# KiCad board OLD_PCB.kicad_pcb (continued)
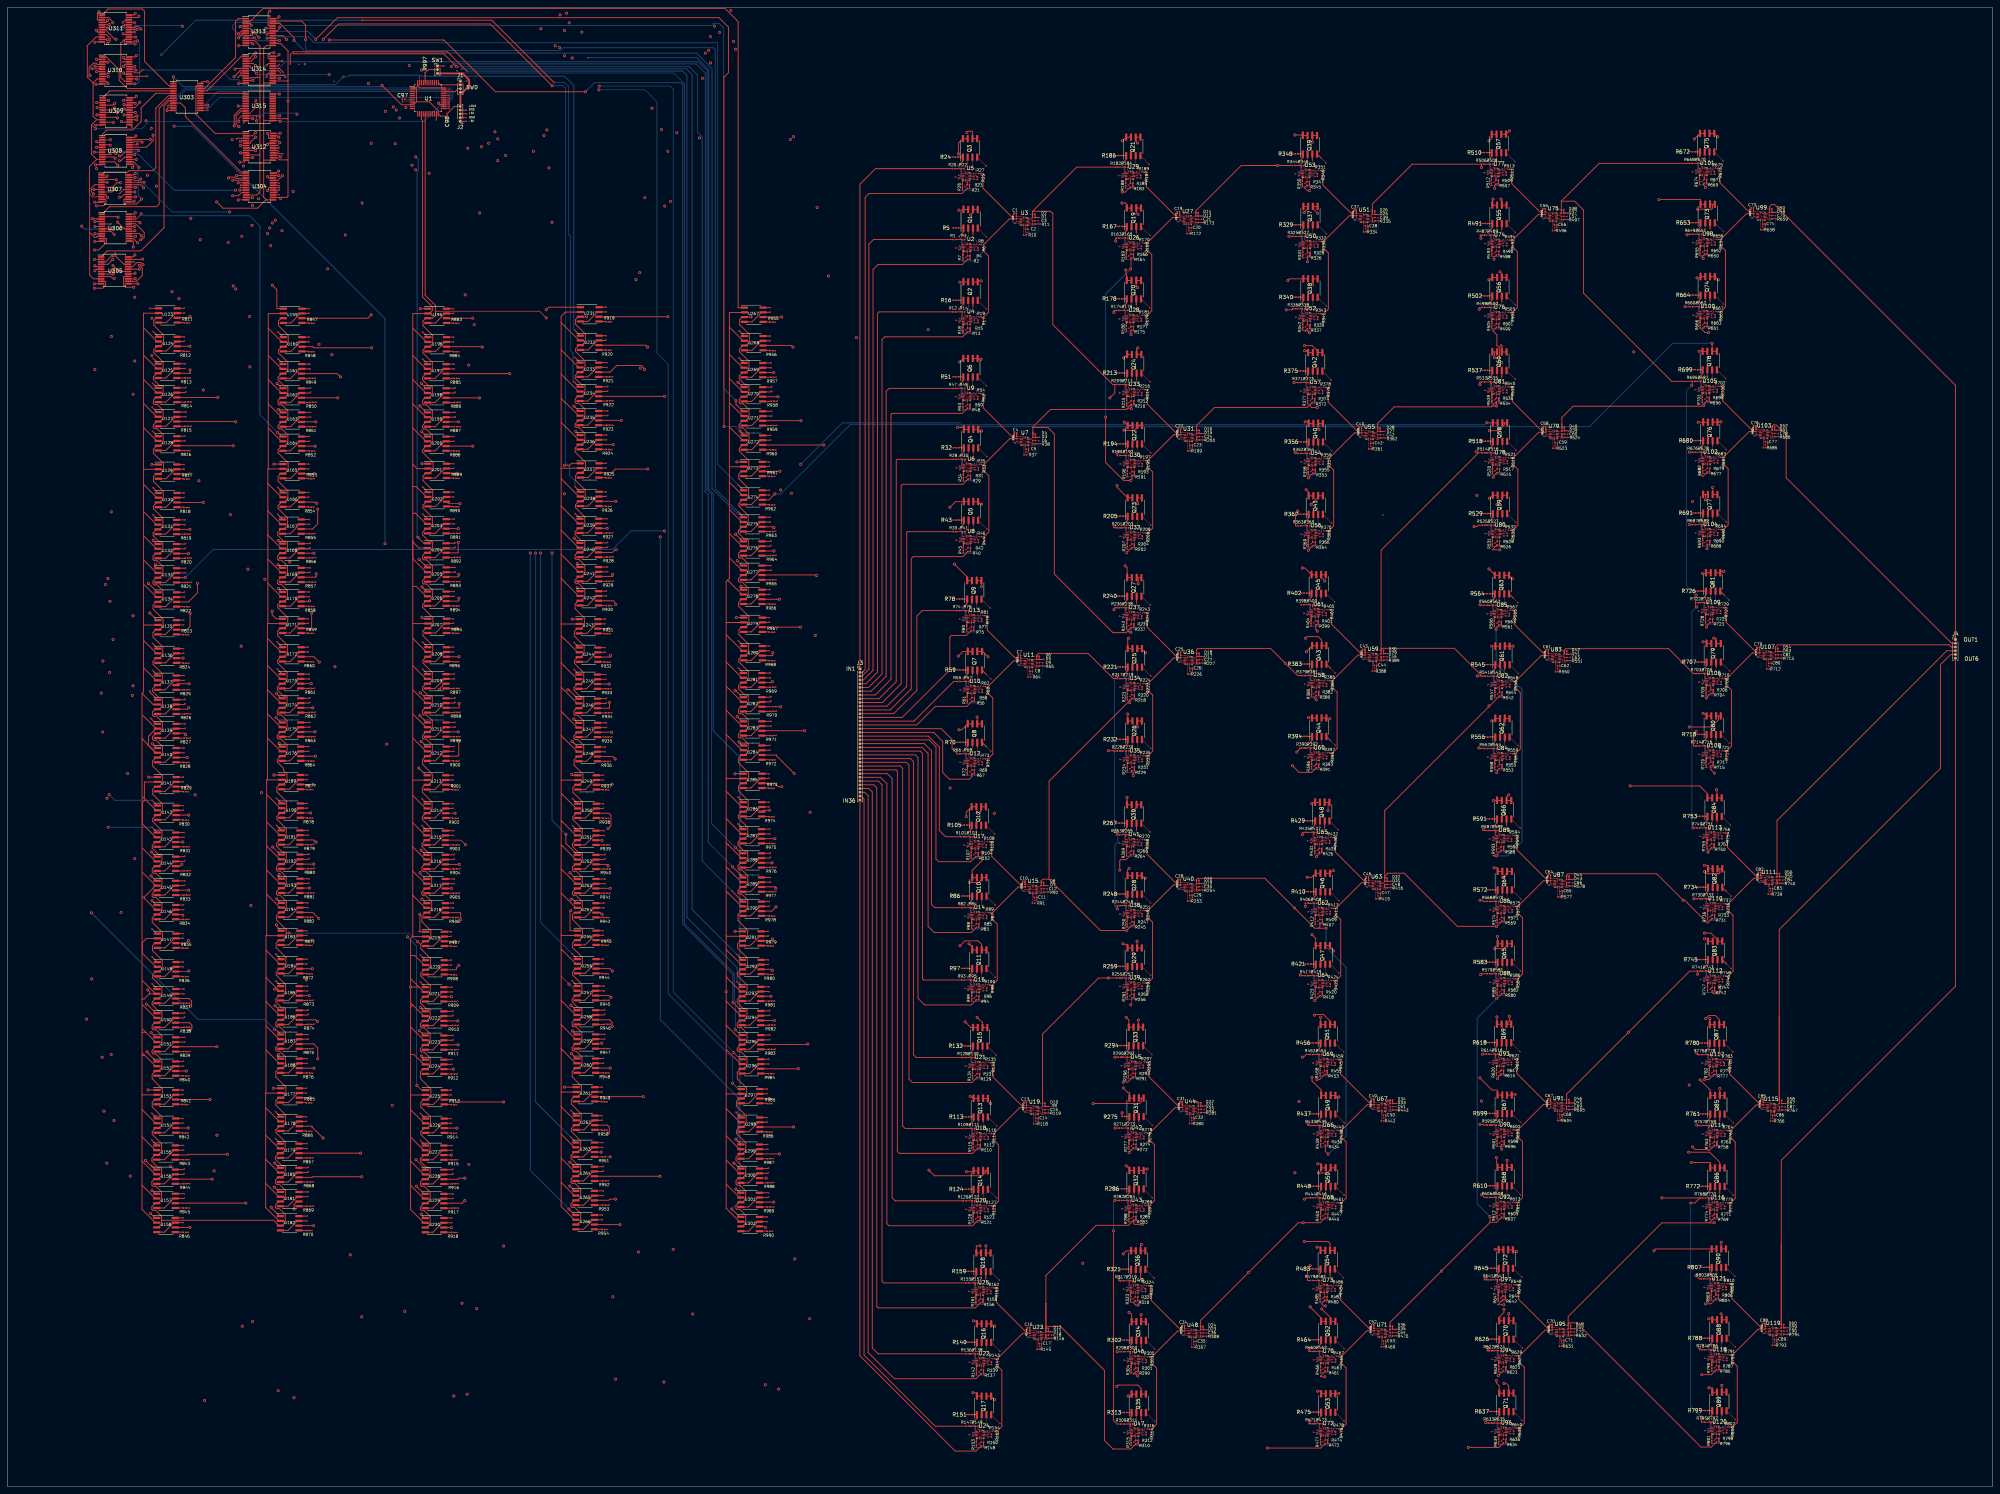
[diagram p0: board, top side]
## Routing (per net, layer and track width the routed paths; a pad name or vN(x,y) marks a point on that pad's centre or on a via; arc(x,y) is an arc through that point) (continued)
  Bottom w0.25: v2(33.98,374.62) 34.52,374.62 35.23,375.33 35.23,385.58 v2(34.7,386.1)
/S4: length 84.8
  Top w0.2: v1(117.9,370) 116.44,370 U1.29 ; U303.10 42.73,368.83 v1(42.7,368.8)
  Bottom w0.2: v1(117.9,370) 118.17,370 118.8,370.63 118.8,372.81 118.11,373.5 47.4,373.5 v1(42.7,368.8)
/S5: length 82.8
  Top w0.2: U303.11 44.27,368.2 v1(42.7,368.2) ; v1(117.9,370.5) 116.44,370.5 U1.30
  Bottom w0.2: v1(117.9,370.5) 118.11,370.5 118.4,370.79 118.4,371.71 117.11,373 47.61,373 42.81,368.2 v1(42.7,368.2)
/S6: length 69
  Top w0.2: U303.14 53.48,368.18 v1(53.5,368.2) ; U1.31 116.44,371 v1(117.9,371)
  Bottom w0.2: v1(53.5,368.2) 53.79,368.2 56.59,371 v1(117.9,371)
/S7: length 72.4
  Top w0.2: U303.13 53.48,367.53 v1(53.5,367.5) ; v1(117.9,371.5) 117.89,371.51 U1.32
  Bottom w0.2: v1(53.5,367.5) 53.49,367.5 52.8,368.19 52.8,369.19 56.21,372.6 116.8,372.6 v1(117.9,371.5)
/SCK: length 2422.8
  Top w0.15: 147.83,136.27 151.72,132.39 U257.2
  Top w0.25: U163.2 73.17,285.59 69.62,289.14 ; 147.83,81.23 151.38,77.69 U265.2 ; 147.83,81.23 147.83,74.78 151.38,71.24 U266.2 ; 147.83,81.23 147.83,87.68 ; 69.53,267.84 73.17,264.19 U166.2 ; 69.53,267.84 69.53,260.54 ; 69.53,267.84 69.53,271.75 69.73,271.75 ; U203.2 111.77,257.09 108.91,259.95 108.21,259.95 ; 36.32,271.65 36.32,267.66 ; 36.32,271.65 36.32,282.79 ; 36.32,271.65 40.15,271.65 40.18,271.69 U129.2 ; 36.32,267.66 39.9,264.09 U130.2 ; 36.32,267.66 36.32,260.36 ; U262.2 151.48,97.79 147.83,101.43 ; U134.2 39.8,237.54 36.32,241.01 ; 147.83,171.33 147.83,164.87 ; 147.83,171.33 148.18,170.98 148.23,170.98 151.78,167.44 152.16,167.44 ; 147.83,171.33 147.83,177.83 ; 147.83,164.87 147.83,158.47 ; 147.83,164.87 148.17,164.53 148.23,164.53 151.78,160.99 U253.2 ; 73.23,181.16 72.85,181.16 69.2,184.8 ; U275.2 196.1,257.59 192.75,260.93 ; U295.2 195.77,119.29 192.22,122.84 192.22,122.86 191.89,123.19 ; 192.25,242.05 191.89,241.69 191.89,230.71 ; 192.25,242.05 192.75,242.55 192.75,248.03 ; 192.25,242.05 192.52,241.78 192.55,241.78 196.1,238.24 U278.2 ; U168.2 73.07,250.54 69.53,254.09 ; 37.48,198.15 36.12,199.51 36.12,199.52 35.92,199.72 ; 37.48,198.15 37.6,198.28 37.6,199.39 37.68,199.46 37.68,200.42 37.91,200.65 37.91,200.65 39.03,201.77 39.03,201.77 39.67,202.41 ; 37.48,198.15 39.67,195.96 U140.2 39.54,195.96 37.48,198.02 37.48,198.15 ; 35.92,93.37 39.47,89.83 U155.2 ; 35.92,93.37 35.92,86.92 ; 35.92,93.37 35.92,100.67 ; U150.2 39.55,125.15 36,128.69 ; U276.2 196.1,251.14 192.75,254.48 ; 147.83,297.07 148.92,295.98 148.95,295.98 152.5,292.44 U234.2 ; 147.83,297.07 147.83,303.57 ; 147.83,297.07 147.83,290.57 ; 147.83,242.53 147.83,230.37 ; 147.83,242.53 147.83,248.93 ; 147.83,242.53 148.93,241.44 148.93,241.39 152.47,237.84 U242.2 ; 147.83,230.37 147.83,227.17 ; 147.83,230.37 147.85,230.35 152.53,230.35 152.56,230.39 U243.2 ; U228.2 111.17,83.34 107.62,86.89 ; U201.2 112.16,271.89 112.12,271.86 109.31,271.86 108.23,272.93 108.21,272.93 ; 36.32,295.69 36.32,302.14 ; 36.32,295.69 36.32,289.24 ; 36.32,295.69 39.87,292.14 U126.2 ; 36.32,302.14 36.32,309.44 ; 36.32,302.14 39.87,298.59 U125.2 ; U165.2 73.46,271.79 73.43,271.75 69.73,271.75 ; 108.21,259.95 108.21,252.46 ; 108.21,259.95 108.21,267.04 ; 69.62,295.59 73.17,292.04 U162.2 ; 69.62,295.59 69.62,289.14 ; 69.62,295.59 69.62,302.04 ; U235.2 152.5,285.99 148.95,289.53 148.87,289.53 147.83,290.57 ; U167.2 73.07,256.99 69.53,260.54 ; 73.34,196.34 72.97,196.34 69.42,199.88 ; 192.75,254.48 192.75,260.93 ; 192.75,254.48 192.75,248.03 ; 192.75,260.93 192.75,268.23 ; 69.62,282.69 69.62,271.86 69.73,271.75 ; 69.62,282.69 69.62,289.14 ; 69.62,282.69 73.17,279.14 U164.2 ; 39.57,160.49 38.93,159.85 38.93,159.85 36.55,157.48 36.55,157.06 ; 39.57,160.49 U145.2 ; 39.57,160.49 36.02,164.04 ; 192.75,295.88 196.3,292.34 U270.2 ; 192.75,295.88 192.75,302.33 ; 192.75,295.88 192.75,289.43 ; 69.2,177.5 69.2,184.8 ; 69.2,177.5 69.2,171.05 ; 69.2,177.5 72.75,173.96 73.12,173.96 ; 69.2,184.8 69.2,188.72 ; 68.94,105.06 72.84,105.06 72.88,105.1 72.97,105.1 ; 68.94,105.06 69.03,105.15 69.03,116.55 ; 68.94,105.06 68.94,101.14 ; 108.21,188.65 111.93,188.65 111.97,188.69 U213.2 ; 108.21,188.65 108.21,184.55 ; 108.21,188.65 108.21,199.87 ; U205.2 111.77,244.19 108.23,247.74 108.23,252.28 ; U272.2 196.3,279.44 192.75,282.98 ; 147.83,158.47 148.22,158.08 148.23,158.08 151.78,154.54 U254.2 ; 147.83,158.47 147.83,147.27 ; U245.2 152.18,215.59 148.63,219.13 148.63,219.17 147.83,219.97 ; 36.82,183.44 36.55,183.71 ; 36.82,183.44 39.67,180.59 U142.2 ; 36.82,183.44 36.02,182.65 36.02,180.08 ; 36.55,183.71 36.55,188.16 39.92,188.16 39.96,188.19 U141.2 ; 36.55,183.71 36.02,184.24 ; 69.2,171.05 72.75,167.51 73.12,167.51 ; 69.2,171.05 69.2,164.6 ; 108.21,252.46 108.23,252.44 108.23,252.28 ; 108.21,252.46 108.21,240.39 ; 192.75,302.33 196.3,298.79 U269.2 ; 192.75,302.33 192.75,309.63 ; 69.42,206.33 72.97,202.79 73.34,202.79 ; 69.42,206.33 69.42,199.88 ; 69.42,206.33 69.42,212.78 ; 69.03,129.45 69.03,135.9 ; 69.03,129.45 69.03,123 ; 69.03,129.45 72.58,125.91 U186.2 ; 147.83,188.53 147.95,188.65 152.13,188.65 152.16,188.69 U249.2 ; 147.83,188.53 147.83,185.13 ; 147.83,188.53 147.83,200.53 ; 35.92,115.14 35.92,104.59 ; 35.92,115.14 35.92,121.32 ; 35.92,115.14 36.65,115.14 ; 35.92,104.59 39.82,104.59 39.86,104.62 U153.2 ; 35.92,104.59 35.92,100.67 ; 192.75,309.63 192.75,313.55 196.65,313.55 196.69,313.59 U267.2 ; 192.75,309.63 196.4,305.99 U268.2 ; 108.21,240.39 109.12,240.39 111.77,237.74 U206.2 ; 108.21,240.39 108.21,230.45 ; 72.14,132.79 v2(71.36,132.79) ; 72.14,132.79 69.03,135.9 ; 72.14,132.79 72.58,132.36 U185.2 ; 147.83,116.87 148.12,116.58 148.15,116.58 151.7,113.04 U260.2 ; 147.83,116.87 147.83,123.33 ; 147.83,116.87 147.83,105.35 ; 69.62,309.34 73.27,305.69 U160.2 ; 69.62,309.34 69.62,313.25 73.53,313.25 73.56,313.29 U159.2 ; 69.62,309.34 69.62,302.04 ; U170.2 73.07,237.64 69.53,241.19 ; 108.21,230.45 112.1,230.45 112.14,230.49 U207.2 ; 108.21,230.45 108.21,226.52 ; 147.83,123.33 148.13,123.03 148.15,123.03 151.7,119.49 U259.2 ; 147.83,123.33 147.83,129.83 ; 191.89,104.85 191.89,116.51 ; 191.89,104.85 191.89,100.93 ; 191.89,104.85 195.79,104.85 195.83,104.89 U297.2 ; 191.89,116.51 191.89,123.19 ; 191.89,116.51 192.1,116.51 195.77,112.84 U296.2 ; U143.2 39.57,173.39 36.02,176.94 36.02,180.08 ; U137.2 39.67,215.31 36.32,218.66 ; U255.2 152.09,147.19 152.05,147.15 147.95,147.15 147.83,147.27 ; 191.89,123.19 191.89,129.61 ; 191.89,129.61 v2(191.89,132.17) 191.89,136.09 ; 191.89,129.61 192.21,129.29 192.22,129.29 195.77,125.74 U294.2 ; 111.66,146.89 108.23,146.89 108.21,146.87 ; U131.2 39.8,256.88 36.32,260.36 ; 191.89,93.63 191.89,100.93 ; 191.89,93.63 195.44,90.09 U299.2 ; 191.89,93.63 191.89,87.18 ; 191.89,100.93 195.54,97.29 U298.2 ; 147.83,185.13 147.83,177.83 ; 147.83,185.13 148.23,184.73 148.23,184.73 151.88,181.09 U250.2 ; 147.83,177.83 148.23,177.43 148.23,177.43 151.78,173.89 U251.2 ; 108.21,206.32 108.21,199.87 ; 108.21,206.32 108.21,212.77 ; 108.21,206.32 111.75,202.79 112.12,202.79 ; 108.21,199.87 111.75,196.34 112.12,196.34 ; 69.53,247.64 69.53,241.19 ; 69.53,247.64 73.07,244.09 U169.2 ; 69.53,247.64 69.53,254.09 ; 69.53,241.19 69.53,230.56 69.42,230.45 ; 36.32,225.96 39.77,222.51 U136.2 ; 36.32,225.96 36.32,230.07 ; 36.32,225.96 36.32,218.66 ; U146.2 39.57,154.04 36.55,157.06 ; 191.89,136.09 191.89,143.37 ; 191.89,136.09 192.22,135.75 192.22,135.74 195.77,132.19 U293.2 ; 191.89,143.37 191.89,147.01 ; 191.89,143.37 195.87,139.39 U292.2 ; 68.94,93.84 72.49,90.3 U179.2 ; 68.94,93.84 68.94,101.14 ; 68.94,93.84 68.94,87.39 ; 107.62,141.78 107.62,146.28 108.21,146.87 ; 107.62,141.78 v2(107.62,133.4) ; 107.62,141.78 108.78,141.78 111.28,139.29 U220.2 ; U135.2 40.06,230.11 40.02,230.07 36.32,230.07 ; 108.21,177.25 111.58,173.89 U215.2 ; 108.21,177.25 108.21,170.8 ; 108.21,177.25 108.21,184.55 ; U182.2 72.49,70.95 68.94,74.49 68.94,80.94 ; 36.32,218.66 36.32,212.21 35.92,211.81 ; 36.02,170.49 39.57,166.94 U144.2 ; 108.21,302.03 111.76,298.49 U197.2 ; 108.21,302.03 108.21,309.33 ; 108.21,302.03 108.21,295.58 ; 147.83,310.83 148.93,309.73 148.95,309.73 152.6,306.09 U232.2 ; 147.83,310.83 147.83,312.53 148.95,313.65 152.85,313.65 152.89,313.69 152.97,313.69 ; 147.83,310.83 147.83,303.57 ; U263.2 151.38,90.59 147.83,94.13 ; 147.83,94.13 147.83,87.68 ; 147.83,94.13 147.83,101.43 ; 147.83,87.68 151.38,84.14 151.75,84.14 ; 195.81,83.64 195.44,83.64 191.89,87.18 ; 191.89,185.69 191.89,189.11 ; 191.89,185.69 192.43,185.16 192.43,185.14 196.07,181.49 U286.2 ; 191.89,185.69 191.89,178.39 ; 191.89,189.11 191.94,189.06 196.33,189.06 196.36,189.09 U285.2 ; 191.89,189.11 191.89,200.81 ; U152.2 39.55,112.25 36.65,115.14 ; 69.42,212.78 72.97,209.24 73.34,209.24 ; 69.42,212.78 69.42,219.23 ; 147.83,227.17 148.57,226.43 148.63,226.43 152.28,222.79 U244.2 ; 147.83,227.17 147.83,219.97 ; U181.2 72.49,77.4 68.94,80.94 ; 147.83,261.83 147.83,255.37 ; 147.83,261.83 147.83,269.17 ; 147.83,261.83 148.92,260.74 148.93,260.74 152.47,257.19 U239.2 ; 147.83,255.37 147.83,248.93 ; 147.83,255.37 148.91,254.29 148.93,254.29 152.47,250.74 U240.2 ; 147.83,290.57 147.83,284.17 ; 36.92,121.32 35.92,121.32 ; 36.92,121.32 36,122.24 ; 36.92,121.32 39.55,118.7 39.92,118.7 ; 35.92,121.32 35.92,130.18 ; 69.2,158.15 72.75,154.61 73.12,154.61 ; 69.2,158.15 69.2,147.29 69.03,147.12 ; 69.2,158.15 69.2,164.6 ; U223.2 111.18,119.19 107.87,122.49 107.62,122.49 ; U204.2 109.86,250.64 108.23,252.28 ; U123.2 40.26,313.39 40.23,313.36 36.32,313.36 36.32,309.44 ; U280.2 196.2,223.19 192.55,226.83 192.55,226.83 191.89,227.49 ; U301.2 195.44,77.19 191.89,80.73 ; U246.2 152.18,209.14 148.63,212.68 148.58,212.68 147.83,213.43 ; 108.21,157.9 108.21,146.87 ; 108.21,157.9 108.21,164.35 ; 108.21,157.9 111.58,154.54 U218.2 ; U236.2 152.5,279.54 148.95,283.08 148.92,283.08 147.83,284.17 ; 147.83,101.43 147.83,105.35 ; U189.2 73.14,188.76 73.1,188.72 69.2,188.72 ; 107.62,115.38 107.62,122.49 ; 107.62,115.38 107.62,104.56 ; 107.62,115.38 108.53,115.38 111.18,112.74 U224.2 ; 107.62,122.49 107.62,128 ; 147.83,248.93 148.92,247.84 148.93,247.84 152.47,244.29 U241.2 ; U277.2 196.1,244.69 192.75,248.03 ; 107.62,80.44 111.17,76.89 U229.2 ; 107.62,80.44 107.62,73.99 111.17,70.44 U230.2 ; 107.62,80.44 107.62,86.89 ; 107.62,93.34 107.62,100.64 ; 107.62,93.34 111.17,89.79 U227.2 ; 107.62,93.34 107.62,86.89 ; 107.62,100.64 107.62,104.56 ; 107.62,100.64 111.27,96.99 U226.2 ; 36.32,247.46 36.32,241.01 ; 36.32,247.46 36.32,253.91 ; 36.32,247.46 39.8,243.99 U133.2 ; 36.32,241.01 36.32,230.07 ; U274.2 196.2,264.79 192.75,268.23 ; 107.62,128 v2(107.62,133.4) ; 107.62,128 108.22,128.6 ; v2(107.62,133.4) 109.87,133.4 ; 147.83,143.47 147.83,129.83 ; 147.83,143.47 147.83,147.27 ; 147.83,143.47 148.07,143.23 148.15,143.23 151.8,139.59 U256.2 ; 39.67,202.41 36.12,205.96 ; 39.67,202.41 U139.2 ; 39.55,131.6 37.91,131.6 ; 39.55,131.6 U149.2 ; 39.55,131.6 36,135.14 ; 37.91,131.6 37.91,132.15 v2(37.43,132.63) ; 37.91,131.6 36.49,130.18 35.92,130.18 ; 107.62,104.56 111.53,104.56 111.56,104.59 U225.2 ; 36.32,260.36 36.32,253.91 ; 36.32,253.91 39.8,250.44 40.17,250.44 ; U248.2 152.18,196.24 148.63,199.78 148.58,199.78 147.83,200.53 ; 191.89,80.73 191.89,87.18 ; 191.89,80.73 191.89,74.28 195.44,70.74 U302.2 ; 192.75,282.98 192.75,289.43 ; 192.75,282.98 192.75,272.35 ; 192.75,289.43 196.3,285.88 196.68,285.88 ; 191.89,220.19 191.89,227.49 ; 191.89,220.19 192.55,219.53 192.55,219.53 196.1,215.99 U281.2 ; 191.89,220.19 191.89,213.69 ; 191.89,227.49 191.89,230.71 ; 109.87,133.4 107.63,135.63 ; 109.87,133.4 111.18,132.09 U221.2 ; 35.92,199.72 35.92,211.81 ; 35.92,199.72 35.92,180.08 ; 35.92,211.81 38.87,208.86 U138.2 ; 108.21,170.8 108.21,164.35 ; 108.21,170.8 111.58,167.44 111.96,167.44 ; 108.21,164.35 111.58,160.99 U217.2 ; U288.2 195.97,167.84 192.43,171.39 192.39,171.39 191.89,171.89 ; 108.22,128.6 107.63,129.18 ; 108.22,128.6 111.18,125.64 111.56,125.64 ; 147.83,207.03 148.63,206.23 148.63,206.23 152.18,202.69 U247.2 ; 147.83,207.03 147.83,200.53 ; 147.83,207.03 147.83,213.43 ; 35.92,80.47 35.92,86.92 ; 35.92,80.47 35.92,74.02 39.47,70.48 U158.2 ; 35.92,80.47 39.47,76.93 U157.2 ; 35.92,86.92 39.47,83.38 U156.2 ; 108.21,309.33 108.21,313.25 112.11,313.25 112.15,313.29 U195.2 112.61,313.29 113.54,314.21 113.54,314.97 110.82,317.68 110.82,364.78 110.5,365.1 110.5,366.58 U1.15 ; 108.21,309.33 111.86,305.69 112.23,305.69 ; U172.2 73.07,222.89 69.42,226.53 ; 147.83,303.57 148.95,302.45 148.95,302.43 152.5,298.88 152.88,298.88 ; 69.03,123 69.03,116.55 ; 69.03,123 72.58,119.46 U187.2 ; 69.03,116.55 72.58,113 U188.2 ; 191.89,147.01 191.94,146.96 196.12,146.96 196.16,146.99 U291.2 ; 191.89,147.01 191.89,158.99 ; 69.42,219.23 72.97,215.69 73.34,215.69 ; 69.42,219.23 69.42,226.53 ; 191.89,230.71 191.93,230.75 196.45,230.75 196.49,230.79 U279.2 ; 191.89,213.69 192.5,213.08 192.55,213.08 196.1,209.54 U282.2 ; 191.89,213.69 191.89,207.31 ; 68.94,80.94 68.94,87.39 ; 191.89,158.99 192.39,158.49 192.43,158.49 195.97,154.94 U290.2 ; 191.89,158.99 191.89,165.49 ; 147.83,284.17 147.83,271.97 ; 147.83,271.97 147.84,271.96 152.83,271.96 152.86,271.99 U237.2 ; 147.83,271.97 147.83,269.17 ; U147.2 39.93,146.4 39.9,146.36 37.09,146.36 36,145.27 36,144.67 ; 69.42,226.53 69.42,230.45 ; U124.2 39.97,305.79 36.32,309.44 ; 69.42,199.88 69.42,188.94 69.2,188.72 ; U128.2 39.87,279.24 36.32,282.79 ; 69.53,260.54 69.53,254.09 ; 191.89,200.81 192.52,200.18 192.55,200.18 196.1,196.64 U284.2 ; 191.89,200.81 191.89,207.31 ; 36.02,180.08 35.92,180.08 ; 108.21,212.77 111.75,209.24 112.12,209.24 ; 108.21,212.77 108.21,219.22 ; 36.65,115.14 36,115.79 ; 147.83,129.83 148.15,129.51 148.15,129.48 151.7,125.94 U258.2 ; 108.21,295.58 108.21,289.13 ; 108.21,295.58 111.76,292.04 U198.2 ; 108.21,289.13 111.76,285.59 U199.2 ; 108.21,289.13 108.21,282.68 ; 68.94,101.14 72.59,97.5 72.97,97.5 ; 36.32,282.79 36.32,289.24 ; 73.12,161.06 72.75,161.06 69.2,164.6 ; 191.89,178.39 192.43,177.86 192.43,177.84 195.97,174.29 U287.2 ; 191.89,178.39 191.89,171.89 ; 191.89,171.89 191.89,165.49 ; 69.03,135.9 69.03,143.2 ; 36.55,157.06 36.02,157.59 ; 35.92,100.67 39.57,97.03 U154.2 ; U161.2 73.17,298.49 69.62,302.04 ; 69.03,143.2 69.03,147.12 ; 69.03,143.2 72.68,139.56 U184.2 ; 69.03,147.12 72.93,147.12 72.96,147.16 U183.2 ; 191.89,207.31 192.55,206.65 192.55,206.63 196.1,203.09 U283.2 ; 192.75,272.35 196.45,272.35 196.49,272.38 U273.2 ; 192.75,272.35 192.75,268.23 ; 35.92,180.08 35.92,144.67 ; 108.21,184.55 111.68,181.09 U214.2 ; U127.2 39.87,285.69 36.32,289.24 ; 69.42,230.45 73.32,230.45 73.36,230.49 U171.2 ; U261.2 151.77,105.39 151.73,105.35 147.83,105.35 ; 108.21,282.68 108.21,272.93 ; 108.21,282.68 111.76,279.13 U200.2 ; 108.21,272.93 108.21,267.04 ; 36,144.67 36,142.44 39.65,138.8 U148.2 ; 36,144.67 35.92,144.67 ; 68.94,87.39 72.49,83.85 U180.2 ; U208.2 111.85,222.89 108.21,226.52 ; 147.83,269.17 148.93,268.08 148.93,268.04 152.57,264.39 U238.2 ; 147.83,219.97 147.83,213.43 ; 108.21,226.52 108.21,219.22 ; U257.2 151.7,132.39 ; 35.92,130.18 35.92,144.67 ; 191.89,165.49 192.43,164.96 192.43,164.94 195.97,161.39 U289.2 ; 112.12,215.69 111.75,215.69 108.21,219.22 ; 108.21,267.04 109.12,267.04 111.87,264.29 U202.2
  In2.Cu w0.15: v2(107.62,133.4) 108.05,132.97 108.31,132.97
  In2.Cu w0.25: v2(37.43,132.63) 37.75,132.32 70.88,132.32 v2(71.36,132.79) 71.54,132.97 108.31,132.97 108.73,133.4 117.9,133.4 118.67,134.16 v2(149.92,134.16) 149.97,134.22 189.84,134.22 v2(191.89,132.17)
/SWCLK: length 6.2
  Top w0.25: U1.37 115.61,374.33 J1.2
/SWDIO: length 4.8
  Top w0.25: U1.34 119.51,372.51 120.33,373.33 J1.3
/VariableWeights/CS111: length 50.4
  Top w0.25: U123.1 37.93,314.66 v1(37.92,314.66) ; U304.2 v2(61.18,350.12)
  In1.Cu w0.25: v2(61.18,350.12) 61.18,350.12 61.18,348.91 60.44,348.16 59.83,348.16 37.92,326.25 v1(37.92,314.66)
/VariableWeights/CS112: length 56.2
  Top w0.25: v1(38.92,308.46) 40.32,307.06 U124.1 ; 63.6,349.38 60.91,349.38 60.58,349.7 59.23,349.7 v2(59,349.47)
  In4.Cu w0.25: v1(38.92,308.46) 58.2,327.73 58.2,348.67 v2(59,349.47)
/VariableWeights/CS113: length 62.1
  Top w0.25: U304.4 62.5,348.83 62.43,348.89 v2(60.14,348.89) ; v1(38.92,301.25) 40.25,299.93 U125.1
  In3.Cu w0.25: v1(38.92,301.25) 40.89,303.22 40.89,303.79 48.46,311.36 48.7,311.36 55.91,318.57 55.91,342.13 60.14,346.36 v2(60.14,348.89)
/VariableWeights/CS114: length 73
  Top w0.25: U304.5 61.61,348.18 v2(61.6,348.17) ; v1(38.73,294.66) 39.97,293.41 U126.1
  In4.Cu w0.25: v1(38.73,294.66) 37.4,295.98 37.4,328.9 58.7,350.2 59.85,350.2 61.6,348.45 v2(61.6,348.17)
/VariableWeights/CS115: length 82.5
  Top w0.25: v1(62.3,347.6) 62.37,347.53 63.7,347.53 ; v1(38.62,288.25) 39.92,286.96 U127.1
  In4.Cu w0.25: v1(38.62,288.25) 38.62,293.98 36.8,295.8 36.9,295.9 36.9,329.2 58.55,350.85 61.48,350.85 62.32,350.01 62.32,347.62 v1(62.3,347.6)
/VariableWeights/CS116: length 93.2
  Top w0.25: v1(38.73,281.83) 40.05,280.51 U128.1 ; v1(62.21,346.99) 62.33,346.88 U304.7
  In1.Cu w0.25: v2(39.77,347.31) 39.77,331.15 37.36,328.73 37.36,314.47 37.81,314.01 37.81,282.74 v1(38.73,281.83)
  In2.Cu w0.25: v2(39.77,347.31) 40.09,346.99 v1(62.21,346.99)
/VariableWeights/CS121: length 86.6
  Top w0.25: v2(38.54,272.96) U129.1 ; U304.8 v2(61.98,346.23)
  In3.Cu w0.25: v2(61.98,346.23) 61.98,345.57 56.58,340.17 56.58,308.2 47.59,299.21 47.29,299.21 46.62,298.54 46.62,281.04 v2(38.54,272.96)
/VariableWeights/CS122: length 92.7
  Top w0.25: U304.9 62.5,345.58 61.65,344.72 v2(60.1,344.72) ; U130.1 40.24,265.36 v1(38.85,266.75)
  In1.Cu w0.25: v2(60.1,344.72) 55.75,340.37 55.75,304.9 51.49,300.63 51.49,293.08 45.02,286.62 45.02,272.92 v1(38.85,266.75)
/VariableWeights/CS123: length 120.2
  Top w0.25: U131.1 40.17,258.23 v1(38.85,259.55) ; U304.23 72.1,350.12 72.13,350.1 v2(72.4,350.1)
  In2.Cu w0.25: v1(38.85,259.55) v2(59.53,259.55)
  In3.Cu w0.25: v2(59.53,259.55) 59.53,331.81 59.65,331.93 59.65,337.47 65.03,342.85 65.15,342.85 66.33,344.03 66.33,344.23 72.2,350.1 v2(72.4,350.1)
/VariableWeights/CS124: length 134.5
  Top w0.25: v2(38.9,252.7) 39.89,251.71 U132.1 ; v2(69.42,349.81) 69.7,349.53 69.7,349.48 U304.22
  In1.Cu w0.25: v2(38.9,252.7) 37.36,254.24 37.36,313.72 36.9,314.17 36.9,329.15 37.36,329.6 v2(37.36,350.2)
  In2.Cu w0.25: v2(69.42,349.81) 68.96,349.35 60.82,349.35 59.97,350.2 v2(37.36,350.2)
/VariableWeights/CS125: length 144.8
  Top w0.25: U133.1 39.84,245.26 39.2,245.9 39.23,245.9 v2(39.5,246.17) ; v2(73.42,350.07) 72.18,348.83 U304.21
  In2.Cu w0.25: v2(75.36,246.91) 40.24,246.91 v2(39.5,246.17)
  In3.Cu w0.25: v2(75.36,246.91) 75.36,348.13 v2(73.42,350.07)
/VariableWeights/CS126: length 142.3
  Top w0.25: U304.20 72.33,348.18 v1(72.5,348) ; U134.1 40.01,238.81 v2(37.6,241.21)
  In4.Cu w0.25: v1(72.5,348) 69.1,351.4 58.1,351.4 34.45,327.75 34.45,324.89 36.35,322.99 36.35,242.46 v2(37.6,241.21)
/VariableWeights/CS131: length 141.7
  Top w0.25: 70.9,347.53 72.03,347.53 72.14,347.41 v1(72.61,347.41) ; v2(38,233.27) 39.89,231.38 U135.1
  In4.Cu w0.25: v2(33.98,317.6) 35.9,315.68 35.9,235.37 v2(38,233.27)
  In5.Cu w0.25: v2(33.98,317.6) 37.77,317.6 67.59,347.41 v1(72.61,347.41)
/VariableWeights/CS132: length 154.8
  Top w0.25: v1(72.6,346.81) 72.54,346.88 U304.18 69.7,346.88 69.7,346.39 v2(69.41,346.1) ; 40.12,223.78 U136.1 40.12,223.78 ; 40.12,223.78 v1(38.73,225.17)
  In2.Cu w0.25: v1(38.73,225.17) 39.45,224.45 v2(62.39,224.45)
  In3.Cu w0.25: v2(69.41,346.1) 69.41,342.17 61.82,334.58 61.82,333.58 62.1,333.3 62.1,224.73 v2(62.39,224.45)
/VariableWeights/CS133: length 151.9
  Top w0.25: v1(72.6,346.21) 72.59,346.23 U304.17 ; v1(38.73,217.97) 40.05,216.65 U137.1
  In4.Cu w0.25: v1(38.73,217.97) 47.77,217.97 67.78,237.98 67.78,342.51 71.49,346.21 v1(72.6,346.21)
/VariableWeights/CS134: length 190.9
  Top w0.25: v1(72.05,345.66) 70.99,345.66 U304.16 ; U138.1 38,212.18 v1(38,212.53)
  In4.Cu w0.2: 73.1,345.7 72.09,345.7 v1(72.05,345.66)
  In4.Cu w0.25: 73.1,345.7 73.63,345.17 73.63,343.68 69.48,339.53 68.23,339.53 68.23,243.77 69.43,242.57 69.43,238.99 47.88,217.45 38.51,217.45 38.2,217.76 38.2,232.45 38,232.25 v1(38,212.53)
/VariableWeights/CS135: length 135.6
  Top w0.2: v2(23.2,327.7) 23.22,327.73 U305.2
  Top w0.25: U139.1 39.72,203.68 v1(38.2,205.2)
  In4.Cu w0.25: v2(23.2,327.7) 24,326.9 28.36,326.9 29,326.26 29,323.6 33.25,319.35 33.25,317.3 35.45,315.1 35.45,207.95 v1(38.2,205.2)
/VariableWeights/CS136: length 140.4
  Top w0.25: v2(28.17,328.71) 27.83,328.71 26.2,327.08 U305.3 ; v2(38.71,198.36) 39.85,197.23 U140.1
  In3.Cu w0.25: v2(28.17,328.71) 30.6,326.27 30.6,324.13 31.05,323.68 31.05,315.09 31.16,314.98 31.16,205.91 v2(38.71,198.36)
/VariableWeights/CS141: length 148.1
  Top w0.25: U305.4 26.85,326.43 v2(28.08,327.65) ; U141.1 v2(37.7,189.46)
  In3.Cu w0.25: v2(28.08,327.65) 30.15,325.58 30.15,323.95 30.6,323.49 30.6,314.9 30.71,314.79 30.71,196.44 v2(37.7,189.46)
/VariableWeights/CS142: length 159
  Top w0.25: U305.5 23.53,325.78 v2(23.32,325.98) ; U142.1 40.02,181.86 v1(38.62,183.26)
  In1.Cu w0.25: v2(27.16,184.79) 27.16,212.46 24.29,215.34 24.29,261.72 24.58,262.01 24.58,305.43 24.29,305.72 24.29,308.57 24.46,308.74 24.46,322.06 24.18,322.34 24.18,325.12 v2(23.32,325.98)
  Bottom w0.25: v1(38.62,183.26) 28.69,183.26 v2(27.16,184.79)
/VariableWeights/CS143: length 166.3
  Top w0.25: v1(38.62,176.06) 39.95,174.73 U143.1 ; v2(23.32,324.7) 23.37,324.7 23.8,325.12 U305.6
  In1.Cu w0.25: v2(26.9,176.06) 25.85,177.1 25.85,184.27 26.19,184.6 26.19,211.81 23.83,214.17 23.83,292.3 24.1,292.57 24.1,305.08 23.84,305.34 23.84,308.75 23.95,308.87 23.95,321.7 23.32,322.33 v2(23.32,324.7)
  Bottom w0.25: v2(26.9,176.06) v1(38.62,176.06)
/VariableWeights/CS144: length 165
  Top w0.25: U305.7 27.83,324.48 v2(28.17,324.81) ; v2(38.42,169.46) 39.67,168.21 U144.1
  In3.Cu w0.25: v2(38.42,169.46) 29.81,178.07 29.81,314.42 29.7,314.53 29.7,323.12 28.94,323.88 28.94,324.11 28.24,324.81 v2(28.17,324.81)
/VariableWeights/CS145: length 170.8
  Top w0.25: 25,323.83 28.19,323.83 v2(28.21,323.81) ; v2(38.32,163.06) 39.62,161.76 U145.1
  In3.Cu w0.25: v2(28.21,323.81) 28.37,323.81 29.25,322.93 29.25,314.34 29.36,314.23 29.36,171.29 37.59,163.06 v2(38.32,163.06)
/VariableWeights/CS146: length 175.9
  Top w0.25: v2(38.6,156.45) 39.75,155.31 U146.1 ; v2(28.52,322.63) 28.07,322.63 27.53,323.18 U305.9
  In3.Cu w0.25: v2(28.52,322.63) 28.52,314.43 28.91,314.05 28.91,166.15 v2(38.6,156.45)
/VariableWeights/CS151: length 190.5
  Top w0.25: v1(38.6,148.9) 39.84,147.67 U147.1 ; U305.23 36.02,327.73 v2(36.1,327.8)
  In5.Cu w0.25: v2(36.1,327.8) 36.2,327.8 37.1,326.9 37.1,322.46 32.5,317.86 32.5,203.55 38.6,197.45 38.6,183.97 37.6,182.97 37.6,149.9 v1(38.6,148.9)
/VariableWeights/CS152: length 199.1
  Top w0.25: U148.1 39.99,140.06 v1(38.6,141.46) ; v1(33.8,327.1) 33.77,327.08 U305.22
  In5.Cu w0.25: v1(38.6,141.46) 24.3,155.76 24.3,316.5 33.8,326 v1(33.8,327.1)
/VariableWeights/CS153: length 215.3
  Top w0.25: v1(38.6,134.26) 39.92,132.94 U149.1 ; U305.21 31.07,326.43 28.9,328.6 28.9,329.22 v1(28.72,329.4)
  In5.Cu w0.25: v1(38.6,134.26) 21.4,151.46 21.4,327.1 23.73,329.43 28.69,329.43 v1(28.72,329.4)
/VariableWeights/CS154: length 206.4
  Top w0.25: U150.1 39.64,126.42 37.25,128.81 v2(37.1,128.81) ; v2(36.18,326.28) 35.55,326.91 34.54,326.91 33.4,325.78 U305.20
  In1.Cu w0.25: v2(36.18,326.28) 36.45,326.01 36.45,313.98 36.52,313.91 36.52,129.4 v2(37.1,128.81)
/VariableWeights/CS155: length 210.3
  Top w0.25: U305.19 35.21,325.12 v2(35.23,325.14) ; U151.1 39.59,119.97 v2(38.35,121.21)
  In1.Cu w0.25: v2(35.23,325.14) 36,324.37 36,242.88 36.07,242.81 36.07,123.49 v2(38.35,121.21)
/VariableWeights/CS156: length 224
  Top w0.25: 39.92,113.52 39.72,113.52 39.06,114.18 37.81,115.43 37.81,115.5 37.23,116.07 v2(37.23,116.1) ; v2(28.17,326.07) 29.76,324.48 U305.18
  In3.Cu w0.25: v2(28.17,326.07) 29.7,324.54 29.7,323.76 30.15,323.31 30.15,314.72 30.26,314.61 30.26,195.09 39.34,186.01 39.34,118.21 v2(37.23,116.1)
/VariableWeights/CS161: length 224.1
  Top w0.25: 39.95,105.9 v2(37.53,105.9) ; 32.2,323.83 33.81,323.83 v2(34.04,324.06)
  In1.Cu w0.25: v2(37.53,105.9) 35.61,107.81 35.61,241.65 35.55,241.72 35.55,322.82 34.31,324.06 v2(34.04,324.06)
/VariableWeights/CS162: length 231.1
  Top w0.25: U154.1 39.92,98.3 v1(38.52,99.69) ; U305.16 31,323.18 31,320.83 31.53,320.3 v2(33.68,320.3)
  In1.Cu w0.25: v1(38.52,99.69) 35.16,103.05 35.16,241.46 35.06,241.57 35.06,318.92 v2(33.68,320.3)
/VariableWeights/CS163: length 256.6
  Top w0.25: v1(38.52,92.49) 39.85,91.17 39.85,91.1 ; v2(29.52,339) 29.4,339.12 U306.2
  In1.Cu w0.25: v2(29.52,339) 30.15,338.37 30.15,213.43 33.26,210.33 33.26,210.33 33.26,97.76 v1(38.52,92.49)
/VariableWeights/CS164: length 265.9
  Top w0.25: v2(22.68,338.6) 23.87,338.6 24,338.48 U306.3 ; v2(36.84,87.08) 38.65,85.27 38.95,85.27 ; 38.95,85.27 38.32,85.89 ; 38.95,85.27 39.57,84.65 U156.1
  In3.Cu w0.25: v2(22.68,338.6) 23.58,338.6 24.05,338.14 24.05,297.22 23.38,296.56 23.38,210.98 23.66,210.7 23.66,100.25 v2(36.84,87.08)
/VariableWeights/CS165: length 269.7
  Top w0.25: U306.4 v2(23.32,337.83) ; 39.85,78.2 39.52,78.2 38.87,78.84 38.75,78.84 v2(38.57,79.02)
  In3.Cu w0.25: v2(23.32,337.83) 22.02,336.53 22.02,211.7 23.21,210.51 23.21,94.38 v2(38.57,79.02)
